# Allegro board LED_FIN.brd (continued)
## Nets (continued)
ROW_OUT_C24: D9511.3(ANODE) D9512.3(ANODE) D9513.3(ANODE) D9514.3(ANODE) D9515.3(ANODE) D9516.3(ANODE) D9517.3(ANODE) D9518.3(ANODE) D9519.3(ANODE) D9520.3(ANODE) D9521.3(ANODE) D9522.3(ANODE) D9523.3(ANODE) D9524.3(ANODE) D9525.3(ANODE) D9526.3(ANODE) D9527.3(ANODE) D9528.3(ANODE) D9529.3(ANODE) D9530.3(ANODE) D9531.3(ANODE) D9532.3(ANODE) D9533.3(ANODE) D9534.3(ANODE) D9535.3(ANODE) D9536.3(ANODE) D9537.3(ANODE) D9538.3(ANODE) D9539.3(ANODE) D9540.3(ANODE) D10651.3(ANODE) D10652.3(ANODE) D10653.3(ANODE) D10654.3(ANODE) D10655.3(ANODE) D10656.3(ANODE) D10657.3(ANODE) D10658.3(ANODE) D10659.3(ANODE) D10660.3(ANODE) D10661.3(ANODE) D10662.3(ANODE) D10663.3(ANODE) D10664.3(ANODE) D10665.3(ANODE) D10666.3(ANODE) D10667.3(ANODE) D10668.3(ANODE) D10669.3(ANODE) D10670.3(ANODE) D10671.3(ANODE) D10672.3(ANODE) D10673.3(ANODE) D10674.3(ANODE) D10675.3(ANODE) D10676.3(ANODE) D10677.3(ANODE) D10678.3(ANODE) D10679.3(ANODE) D10680.3(ANODE) D11791.3(ANODE) D11792.3(ANODE) D11793.3(ANODE) D11794.3(ANODE) D11795.3(ANODE) D11796.3(ANODE) D11797.3(ANODE) D11798.3(ANODE) D11799.3(ANODE) D11800.3(ANODE) D11801.3(ANODE) D11802.3(ANODE) D11803.3(ANODE) D11804.3(ANODE) D11805.3(ANODE) D11806.3(ANODE) D11807.3(ANODE) D11808.3(ANODE) D11809.3(ANODE) D11810.3(ANODE) D11811.3(ANODE) D11812.3(ANODE) D11813.3(ANODE) D11814.3(ANODE) D11815.3(ANODE) D11816.3(ANODE) D11817.3(ANODE) D11818.3(ANODE) D11819.3(ANODE) D11820.3(ANODE) D12931.3(ANODE) D12932.3(ANODE) D12933.3(ANODE) D12934.3(ANODE) D12935.3(ANODE) D12936.3(ANODE) D12937.3(ANODE) D12938.3(ANODE) D12939.3(ANODE) D12940.3(ANODE) D12941.3(ANODE) D12942.3(ANODE) D12943.3(ANODE) D12944.3(ANODE) D12945.3(ANODE) D12946.3(ANODE) D12947.3(ANODE) D12948.3(ANODE) D12949.3(ANODE) D12950.3(ANODE) D12951.3(ANODE) D12952.3(ANODE) D12953.3(ANODE) D12954.3(ANODE) D12955.3(ANODE) D12956.3(ANODE) D12957.3(ANODE) D12958.3(ANODE) D12959.3(ANODE) D12960.3(ANODE) U100.1(DRAIN)
ROW_OUT_C25: D9481.3(ANODE) D9482.3(ANODE) D9483.3(ANODE) D9484.3(ANODE) D9485.3(ANODE) D9486.3(ANODE) D9487.3(ANODE) D9488.3(ANODE) D9489.3(ANODE) D9490.3(ANODE) D9491.3(ANODE) D9492.3(ANODE) D9493.3(ANODE) D9494.3(ANODE) D9495.3(ANODE) D9496.3(ANODE) D9497.3(ANODE) D9498.3(ANODE) D9499.3(ANODE) D9500.3(ANODE) D9501.3(ANODE) D9502.3(ANODE) D9503.3(ANODE) D9504.3(ANODE) D9505.3(ANODE) D9506.3(ANODE) D9507.3(ANODE) D9508.3(ANODE) D9509.3(ANODE) D9510.3(ANODE) D10621.3(ANODE) D10622.3(ANODE) D10623.3(ANODE) D10624.3(ANODE) D10625.3(ANODE) D10626.3(ANODE) D10627.3(ANODE) D10628.3(ANODE) D10629.3(ANODE) D10630.3(ANODE) D10631.3(ANODE) D10632.3(ANODE) D10633.3(ANODE) D10634.3(ANODE) D10635.3(ANODE) D10636.3(ANODE) D10637.3(ANODE) D10638.3(ANODE) D10639.3(ANODE) D10640.3(ANODE) D10641.3(ANODE) D10642.3(ANODE) D10643.3(ANODE) D10644.3(ANODE) D10645.3(ANODE) D10646.3(ANODE) D10647.3(ANODE) D10648.3(ANODE) D10649.3(ANODE) D10650.3(ANODE) D11761.3(ANODE) D11762.3(ANODE) D11763.3(ANODE) D11764.3(ANODE) D11765.3(ANODE) D11766.3(ANODE) D11767.3(ANODE) D11768.3(ANODE) D11769.3(ANODE) D11770.3(ANODE) D11771.3(ANODE) D11772.3(ANODE) D11773.3(ANODE) D11774.3(ANODE) D11775.3(ANODE) D11776.3(ANODE) D11777.3(ANODE) D11778.3(ANODE) D11779.3(ANODE) D11780.3(ANODE) D11781.3(ANODE) D11782.3(ANODE) D11783.3(ANODE) D11784.3(ANODE) D11785.3(ANODE) D11786.3(ANODE) D11787.3(ANODE) D11788.3(ANODE) D11789.3(ANODE) D11790.3(ANODE) D12901.3(ANODE) D12902.3(ANODE) D12903.3(ANODE) D12904.3(ANODE) D12905.3(ANODE) D12906.3(ANODE) D12907.3(ANODE) D12908.3(ANODE) D12909.3(ANODE) D12910.3(ANODE) D12911.3(ANODE) D12912.3(ANODE) D12913.3(ANODE) D12914.3(ANODE) D12915.3(ANODE) D12916.3(ANODE) D12917.3(ANODE) D12918.3(ANODE) D12919.3(ANODE) D12920.3(ANODE) D12921.3(ANODE) D12922.3(ANODE) D12923.3(ANODE) D12924.3(ANODE) D12925.3(ANODE) D12926.3(ANODE) D12927.3(ANODE) D12928.3(ANODE) D12929.3(ANODE) D12930.3(ANODE) U99.1(DRAIN)
ROW_OUT_C26: D9451.3(ANODE) D9452.3(ANODE) D9453.3(ANODE) D9454.3(ANODE) D9455.3(ANODE) D9456.3(ANODE) D9457.3(ANODE) D9458.3(ANODE) D9459.3(ANODE) D9460.3(ANODE) D9461.3(ANODE) D9462.3(ANODE) D9463.3(ANODE) D9464.3(ANODE) D9465.3(ANODE) D9466.3(ANODE) D9467.3(ANODE) D9468.3(ANODE) D9469.3(ANODE) D9470.3(ANODE) D9471.3(ANODE) D9472.3(ANODE) D9473.3(ANODE) D9474.3(ANODE) D9475.3(ANODE) D9476.3(ANODE) D9477.3(ANODE) D9478.3(ANODE) D9479.3(ANODE) D9480.3(ANODE) D10591.3(ANODE) D10592.3(ANODE) D10593.3(ANODE) D10594.3(ANODE) D10595.3(ANODE) D10596.3(ANODE) D10597.3(ANODE) D10598.3(ANODE) D10599.3(ANODE) D10600.3(ANODE) D10601.3(ANODE) D10602.3(ANODE) D10603.3(ANODE) D10604.3(ANODE) D10605.3(ANODE) D10606.3(ANODE) D10607.3(ANODE) D10608.3(ANODE) D10609.3(ANODE) D10610.3(ANODE) D10611.3(ANODE) D10612.3(ANODE) D10613.3(ANODE) D10614.3(ANODE) D10615.3(ANODE) D10616.3(ANODE) D10617.3(ANODE) D10618.3(ANODE) D10619.3(ANODE) D10620.3(ANODE) D11731.3(ANODE) D11732.3(ANODE) D11733.3(ANODE) D11734.3(ANODE) D11735.3(ANODE) D11736.3(ANODE) D11737.3(ANODE) D11738.3(ANODE) D11739.3(ANODE) D11740.3(ANODE) D11741.3(ANODE) D11742.3(ANODE) D11743.3(ANODE) D11744.3(ANODE) D11745.3(ANODE) D11746.3(ANODE) D11747.3(ANODE) D11748.3(ANODE) D11749.3(ANODE) D11750.3(ANODE) D11751.3(ANODE) D11752.3(ANODE) D11753.3(ANODE) D11754.3(ANODE) D11755.3(ANODE) D11756.3(ANODE) D11757.3(ANODE) D11758.3(ANODE) D11759.3(ANODE) D11760.3(ANODE) D12871.3(ANODE) D12872.3(ANODE) D12873.3(ANODE) D12874.3(ANODE) D12875.3(ANODE) D12876.3(ANODE) D12877.3(ANODE) D12878.3(ANODE) D12879.3(ANODE) D12880.3(ANODE) D12881.3(ANODE) D12882.3(ANODE) D12883.3(ANODE) D12884.3(ANODE) D12885.3(ANODE) D12886.3(ANODE) D12887.3(ANODE) D12888.3(ANODE) D12889.3(ANODE) D12890.3(ANODE) D12891.3(ANODE) D12892.3(ANODE) D12893.3(ANODE) D12894.3(ANODE) D12895.3(ANODE) D12896.3(ANODE) D12897.3(ANODE) D12898.3(ANODE) D12899.3(ANODE) D12900.3(ANODE) U98.1(DRAIN)
ROW_OUT_C27: D9421.3(ANODE) D9422.3(ANODE) D9423.3(ANODE) D9424.3(ANODE) D9425.3(ANODE) D9426.3(ANODE) D9427.3(ANODE) D9428.3(ANODE) D9429.3(ANODE) D9430.3(ANODE) D9431.3(ANODE) D9432.3(ANODE) D9433.3(ANODE) D9434.3(ANODE) D9435.3(ANODE) D9436.3(ANODE) D9437.3(ANODE) D9438.3(ANODE) D9439.3(ANODE) D9440.3(ANODE) D9441.3(ANODE) D9442.3(ANODE) D9443.3(ANODE) D9444.3(ANODE) D9445.3(ANODE) D9446.3(ANODE) D9447.3(ANODE) D9448.3(ANODE) D9449.3(ANODE) D9450.3(ANODE) D10561.3(ANODE) D10562.3(ANODE) D10563.3(ANODE) D10564.3(ANODE) D10565.3(ANODE) D10566.3(ANODE) D10567.3(ANODE) D10568.3(ANODE) D10569.3(ANODE) D10570.3(ANODE) D10571.3(ANODE) D10572.3(ANODE) D10573.3(ANODE) D10574.3(ANODE) D10575.3(ANODE) D10576.3(ANODE) D10577.3(ANODE) D10578.3(ANODE) D10579.3(ANODE) D10580.3(ANODE) D10581.3(ANODE) D10582.3(ANODE) D10583.3(ANODE) D10584.3(ANODE) D10585.3(ANODE) D10586.3(ANODE) D10587.3(ANODE) D10588.3(ANODE) D10589.3(ANODE) D10590.3(ANODE) D11701.3(ANODE) D11702.3(ANODE) D11703.3(ANODE) D11704.3(ANODE) D11705.3(ANODE) D11706.3(ANODE) D11707.3(ANODE) D11708.3(ANODE) D11709.3(ANODE) D11710.3(ANODE) D11711.3(ANODE) D11712.3(ANODE) D11713.3(ANODE) D11714.3(ANODE) D11715.3(ANODE) D11716.3(ANODE) D11717.3(ANODE) D11718.3(ANODE) D11719.3(ANODE) D11720.3(ANODE) D11721.3(ANODE) D11722.3(ANODE) D11723.3(ANODE) D11724.3(ANODE) D11725.3(ANODE) D11726.3(ANODE) D11727.3(ANODE) D11728.3(ANODE) D11729.3(ANODE) D11730.3(ANODE) D12841.3(ANODE) D12842.3(ANODE) D12843.3(ANODE) D12844.3(ANODE) D12845.3(ANODE) D12846.3(ANODE) D12847.3(ANODE) D12848.3(ANODE) D12849.3(ANODE) D12850.3(ANODE) D12851.3(ANODE) D12852.3(ANODE) D12853.3(ANODE) D12854.3(ANODE) D12855.3(ANODE) D12856.3(ANODE) D12857.3(ANODE) D12858.3(ANODE) D12859.3(ANODE) D12860.3(ANODE) D12861.3(ANODE) D12862.3(ANODE) D12863.3(ANODE) D12864.3(ANODE) D12865.3(ANODE) D12866.3(ANODE) D12867.3(ANODE) D12868.3(ANODE) D12869.3(ANODE) D12870.3(ANODE) U97.1(DRAIN)
ROW_OUT_C28: D9391.3(ANODE) D9392.3(ANODE) D9393.3(ANODE) D9394.3(ANODE) D9395.3(ANODE) D9396.3(ANODE) D9397.3(ANODE) D9398.3(ANODE) D9399.3(ANODE) D9400.3(ANODE) D9401.3(ANODE) D9402.3(ANODE) D9403.3(ANODE) D9404.3(ANODE) D9405.3(ANODE) D9406.3(ANODE) D9407.3(ANODE) D9408.3(ANODE) D9409.3(ANODE) D9410.3(ANODE) D9411.3(ANODE) D9412.3(ANODE) D9413.3(ANODE) D9414.3(ANODE) D9415.3(ANODE) D9416.3(ANODE) D9417.3(ANODE) D9418.3(ANODE) D9419.3(ANODE) D9420.3(ANODE) D10531.3(ANODE) D10532.3(ANODE) D10533.3(ANODE) D10534.3(ANODE) D10535.3(ANODE) D10536.3(ANODE) D10537.3(ANODE) D10538.3(ANODE) D10539.3(ANODE) D10540.3(ANODE) D10541.3(ANODE) D10542.3(ANODE) D10543.3(ANODE) D10544.3(ANODE) D10545.3(ANODE) D10546.3(ANODE) D10547.3(ANODE) D10548.3(ANODE) D10549.3(ANODE) D10550.3(ANODE) D10551.3(ANODE) D10552.3(ANODE) D10553.3(ANODE) D10554.3(ANODE) D10555.3(ANODE) D10556.3(ANODE) D10557.3(ANODE) D10558.3(ANODE) D10559.3(ANODE) D10560.3(ANODE) D11671.3(ANODE) D11672.3(ANODE) D11673.3(ANODE) D11674.3(ANODE) D11675.3(ANODE) D11676.3(ANODE) D11677.3(ANODE) D11678.3(ANODE) D11679.3(ANODE) D11680.3(ANODE) D11681.3(ANODE) D11682.3(ANODE) D11683.3(ANODE) D11684.3(ANODE) D11685.3(ANODE) D11686.3(ANODE) D11687.3(ANODE) D11688.3(ANODE) D11689.3(ANODE) D11690.3(ANODE) D11691.3(ANODE) D11692.3(ANODE) D11693.3(ANODE) D11694.3(ANODE) D11695.3(ANODE) D11696.3(ANODE) D11697.3(ANODE) D11698.3(ANODE) D11699.3(ANODE) D11700.3(ANODE) D12811.3(ANODE) D12812.3(ANODE) D12813.3(ANODE) D12814.3(ANODE) D12815.3(ANODE) D12816.3(ANODE) D12817.3(ANODE) D12818.3(ANODE) D12819.3(ANODE) D12820.3(ANODE) D12821.3(ANODE) D12822.3(ANODE) D12823.3(ANODE) D12824.3(ANODE) D12825.3(ANODE) D12826.3(ANODE) D12827.3(ANODE) D12828.3(ANODE) D12829.3(ANODE) D12830.3(ANODE) D12831.3(ANODE) D12832.3(ANODE) D12833.3(ANODE) D12834.3(ANODE) D12835.3(ANODE) D12836.3(ANODE) D12837.3(ANODE) D12838.3(ANODE) D12839.3(ANODE) D12840.3(ANODE) U96.1(DRAIN)
ROW_OUT_C29: D9361.3(ANODE) D9362.3(ANODE) D9363.3(ANODE) D9364.3(ANODE) D9365.3(ANODE) D9366.3(ANODE) D9367.3(ANODE) D9368.3(ANODE) D9369.3(ANODE) D9370.3(ANODE) D9371.3(ANODE) D9372.3(ANODE) D9373.3(ANODE) D9374.3(ANODE) D9375.3(ANODE) D9376.3(ANODE) D9377.3(ANODE) D9378.3(ANODE) D9379.3(ANODE) D9380.3(ANODE) D9381.3(ANODE) D9382.3(ANODE) D9383.3(ANODE) D9384.3(ANODE) D9385.3(ANODE) D9386.3(ANODE) D9387.3(ANODE) D9388.3(ANODE) D9389.3(ANODE) D9390.3(ANODE) D10501.3(ANODE) D10502.3(ANODE) D10503.3(ANODE) D10504.3(ANODE) D10505.3(ANODE) D10506.3(ANODE) D10507.3(ANODE) D10508.3(ANODE) D10509.3(ANODE) D10510.3(ANODE) D10511.3(ANODE) D10512.3(ANODE) D10513.3(ANODE) D10514.3(ANODE) D10515.3(ANODE) D10516.3(ANODE) D10517.3(ANODE) D10518.3(ANODE) D10519.3(ANODE) D10520.3(ANODE) D10521.3(ANODE) D10522.3(ANODE) D10523.3(ANODE) D10524.3(ANODE) D10525.3(ANODE) D10526.3(ANODE) D10527.3(ANODE) D10528.3(ANODE) D10529.3(ANODE) D10530.3(ANODE) D11641.3(ANODE) D11642.3(ANODE) D11643.3(ANODE) D11644.3(ANODE) D11645.3(ANODE) D11646.3(ANODE) D11647.3(ANODE) D11648.3(ANODE) D11649.3(ANODE) D11650.3(ANODE) D11651.3(ANODE) D11652.3(ANODE) D11653.3(ANODE) D11654.3(ANODE) D11655.3(ANODE) D11656.3(ANODE) D11657.3(ANODE) D11658.3(ANODE) D11659.3(ANODE) D11660.3(ANODE) D11661.3(ANODE) D11662.3(ANODE) D11663.3(ANODE) D11664.3(ANODE) D11665.3(ANODE) D11666.3(ANODE) D11667.3(ANODE) D11668.3(ANODE) D11669.3(ANODE) D11670.3(ANODE) D12781.3(ANODE) D12782.3(ANODE) D12783.3(ANODE) D12784.3(ANODE) D12785.3(ANODE) D12786.3(ANODE) D12787.3(ANODE) D12788.3(ANODE) D12789.3(ANODE) D12790.3(ANODE) D12791.3(ANODE) D12792.3(ANODE) D12793.3(ANODE) D12794.3(ANODE) D12795.3(ANODE) D12796.3(ANODE) D12797.3(ANODE) D12798.3(ANODE) D12799.3(ANODE) D12800.3(ANODE) D12801.3(ANODE) D12802.3(ANODE) D12803.3(ANODE) D12804.3(ANODE) D12805.3(ANODE) D12806.3(ANODE) D12807.3(ANODE) D12808.3(ANODE) D12809.3(ANODE) D12810.3(ANODE) U95.1(DRAIN)
ROW_OUT_C30: D9331.3(ANODE) D9332.3(ANODE) D9333.3(ANODE) D9334.3(ANODE) D9335.3(ANODE) D9336.3(ANODE) D9337.3(ANODE) D9338.3(ANODE) D9339.3(ANODE) D9340.3(ANODE) D9341.3(ANODE) D9342.3(ANODE) D9343.3(ANODE) D9344.3(ANODE) D9345.3(ANODE) D9346.3(ANODE) D9347.3(ANODE) D9348.3(ANODE) D9349.3(ANODE) D9350.3(ANODE) D9351.3(ANODE) D9352.3(ANODE) D9353.3(ANODE) D9354.3(ANODE) D9355.3(ANODE) D9356.3(ANODE) D9357.3(ANODE) D9358.3(ANODE) D9359.3(ANODE) D9360.3(ANODE) D10471.3(ANODE) D10472.3(ANODE) D10473.3(ANODE) D10474.3(ANODE) D10475.3(ANODE) D10476.3(ANODE) D10477.3(ANODE) D10478.3(ANODE) D10479.3(ANODE) D10480.3(ANODE) D10481.3(ANODE) D10482.3(ANODE) D10483.3(ANODE) D10484.3(ANODE) D10485.3(ANODE) D10486.3(ANODE) D10487.3(ANODE) D10488.3(ANODE) D10489.3(ANODE) D10490.3(ANODE) D10491.3(ANODE) D10492.3(ANODE) D10493.3(ANODE) D10494.3(ANODE) D10495.3(ANODE) D10496.3(ANODE) D10497.3(ANODE) D10498.3(ANODE) D10499.3(ANODE) D10500.3(ANODE) D11611.3(ANODE) D11612.3(ANODE) D11613.3(ANODE) D11614.3(ANODE) D11615.3(ANODE) D11616.3(ANODE) D11617.3(ANODE) D11618.3(ANODE) D11619.3(ANODE) D11620.3(ANODE) D11621.3(ANODE) D11622.3(ANODE) D11623.3(ANODE) D11624.3(ANODE) D11625.3(ANODE) D11626.3(ANODE) D11627.3(ANODE) D11628.3(ANODE) D11629.3(ANODE) D11630.3(ANODE) D11631.3(ANODE) D11632.3(ANODE) D11633.3(ANODE) D11634.3(ANODE) D11635.3(ANODE) D11636.3(ANODE) D11637.3(ANODE) D11638.3(ANODE) D11639.3(ANODE) D11640.3(ANODE) D12751.3(ANODE) D12752.3(ANODE) D12753.3(ANODE) D12754.3(ANODE) D12755.3(ANODE) D12756.3(ANODE) D12757.3(ANODE) D12758.3(ANODE) D12759.3(ANODE) D12760.3(ANODE) D12761.3(ANODE) D12762.3(ANODE) D12763.3(ANODE) D12764.3(ANODE) D12765.3(ANODE) D12766.3(ANODE) D12767.3(ANODE) D12768.3(ANODE) D12769.3(ANODE) D12770.3(ANODE) D12771.3(ANODE) D12772.3(ANODE) D12773.3(ANODE) D12774.3(ANODE) D12775.3(ANODE) D12776.3(ANODE) D12777.3(ANODE) D12778.3(ANODE) D12779.3(ANODE) D12780.3(ANODE) U94.1(DRAIN)
ROW_OUT_C31: D9301.3(ANODE) D9302.3(ANODE) D9303.3(ANODE) D9304.3(ANODE) D9305.3(ANODE) D9306.3(ANODE) D9307.3(ANODE) D9308.3(ANODE) D9309.3(ANODE) D9310.3(ANODE) D9311.3(ANODE) D9312.3(ANODE) D9313.3(ANODE) D9314.3(ANODE) D9315.3(ANODE) D9316.3(ANODE) D9317.3(ANODE) D9318.3(ANODE) D9319.3(ANODE) D9320.3(ANODE) D9321.3(ANODE) D9322.3(ANODE) D9323.3(ANODE) D9324.3(ANODE) D9325.3(ANODE) D9326.3(ANODE) D9327.3(ANODE) D9328.3(ANODE) D9329.3(ANODE) D9330.3(ANODE) D10441.3(ANODE) D10442.3(ANODE) D10443.3(ANODE) D10444.3(ANODE) D10445.3(ANODE) D10446.3(ANODE) D10447.3(ANODE) D10448.3(ANODE) D10449.3(ANODE) D10450.3(ANODE) D10451.3(ANODE) D10452.3(ANODE) D10453.3(ANODE) D10454.3(ANODE) D10455.3(ANODE) D10456.3(ANODE) D10457.3(ANODE) D10458.3(ANODE) D10459.3(ANODE) D10460.3(ANODE) D10461.3(ANODE) D10462.3(ANODE) D10463.3(ANODE) D10464.3(ANODE) D10465.3(ANODE) D10466.3(ANODE) D10467.3(ANODE) D10468.3(ANODE) D10469.3(ANODE) D10470.3(ANODE) D11581.3(ANODE) D11582.3(ANODE) D11583.3(ANODE) D11584.3(ANODE) D11585.3(ANODE) D11586.3(ANODE) D11587.3(ANODE) D11588.3(ANODE) D11589.3(ANODE) D11590.3(ANODE) D11591.3(ANODE) D11592.3(ANODE) D11593.3(ANODE) D11594.3(ANODE) D11595.3(ANODE) D11596.3(ANODE) D11597.3(ANODE) D11598.3(ANODE) D11599.3(ANODE) D11600.3(ANODE) D11601.3(ANODE) D11602.3(ANODE) D11603.3(ANODE) D11604.3(ANODE) D11605.3(ANODE) D11606.3(ANODE) D11607.3(ANODE) D11608.3(ANODE) D11609.3(ANODE) D11610.3(ANODE) D12721.3(ANODE) D12722.3(ANODE) D12723.3(ANODE) D12724.3(ANODE) D12725.3(ANODE) D12726.3(ANODE) D12727.3(ANODE) D12728.3(ANODE) D12729.3(ANODE) D12730.3(ANODE) D12731.3(ANODE) D12732.3(ANODE) D12733.3(ANODE) D12734.3(ANODE) D12735.3(ANODE) D12736.3(ANODE) D12737.3(ANODE) D12738.3(ANODE) D12739.3(ANODE) D12740.3(ANODE) D12741.3(ANODE) D12742.3(ANODE) D12743.3(ANODE) D12744.3(ANODE) D12745.3(ANODE) D12746.3(ANODE) D12747.3(ANODE) D12748.3(ANODE) D12749.3(ANODE) D12750.3(ANODE) U93.1(DRAIN)
ROW_OUT_C32: D9271.3(ANODE) D9272.3(ANODE) D9273.3(ANODE) D9274.3(ANODE) D9275.3(ANODE) D9276.3(ANODE) D9277.3(ANODE) D9278.3(ANODE) D9279.3(ANODE) D9280.3(ANODE) D9281.3(ANODE) D9282.3(ANODE) D9283.3(ANODE) D9284.3(ANODE) D9285.3(ANODE) D9286.3(ANODE) D9287.3(ANODE) D9288.3(ANODE) D9289.3(ANODE) D9290.3(ANODE) D9291.3(ANODE) D9292.3(ANODE) D9293.3(ANODE) D9294.3(ANODE) D9295.3(ANODE) D9296.3(ANODE) D9297.3(ANODE) D9298.3(ANODE) D9299.3(ANODE) D9300.3(ANODE) D10411.3(ANODE) D10412.3(ANODE) D10413.3(ANODE) D10414.3(ANODE) D10415.3(ANODE) D10416.3(ANODE) D10417.3(ANODE) D10418.3(ANODE) D10419.3(ANODE) D10420.3(ANODE) D10421.3(ANODE) D10422.3(ANODE) D10423.3(ANODE) D10424.3(ANODE) D10425.3(ANODE) D10426.3(ANODE) D10427.3(ANODE) D10428.3(ANODE) D10429.3(ANODE) D10430.3(ANODE) D10431.3(ANODE) D10432.3(ANODE) D10433.3(ANODE) D10434.3(ANODE) D10435.3(ANODE) D10436.3(ANODE) D10437.3(ANODE) D10438.3(ANODE) D10439.3(ANODE) D10440.3(ANODE) D11551.3(ANODE) D11552.3(ANODE) D11553.3(ANODE) D11554.3(ANODE) D11555.3(ANODE) D11556.3(ANODE) D11557.3(ANODE) D11558.3(ANODE) D11559.3(ANODE) D11560.3(ANODE) D11561.3(ANODE) D11562.3(ANODE) D11563.3(ANODE) D11564.3(ANODE) D11565.3(ANODE) D11566.3(ANODE) D11567.3(ANODE) D11568.3(ANODE) D11569.3(ANODE) D11570.3(ANODE) D11571.3(ANODE) D11572.3(ANODE) D11573.3(ANODE) D11574.3(ANODE) D11575.3(ANODE) D11576.3(ANODE) D11577.3(ANODE) D11578.3(ANODE) D11579.3(ANODE) D11580.3(ANODE) D12691.3(ANODE) D12692.3(ANODE) D12693.3(ANODE) D12694.3(ANODE) D12695.3(ANODE) D12696.3(ANODE) D12697.3(ANODE) D12698.3(ANODE) D12699.3(ANODE) D12700.3(ANODE) D12701.3(ANODE) D12702.3(ANODE) D12703.3(ANODE) D12704.3(ANODE) D12705.3(ANODE) D12706.3(ANODE) D12707.3(ANODE) D12708.3(ANODE) D12709.3(ANODE) D12710.3(ANODE) D12711.3(ANODE) D12712.3(ANODE) D12713.3(ANODE) D12714.3(ANODE) D12715.3(ANODE) D12716.3(ANODE) D12717.3(ANODE) D12718.3(ANODE) D12719.3(ANODE) D12720.3(ANODE) U92.1(DRAIN)
ROW_OUT_C33: D9241.3(ANODE) D9242.3(ANODE) D9243.3(ANODE) D9244.3(ANODE) D9245.3(ANODE) D9246.3(ANODE) D9247.3(ANODE) D9248.3(ANODE) D9249.3(ANODE) D9250.3(ANODE) D9251.3(ANODE) D9252.3(ANODE) D9253.3(ANODE) D9254.3(ANODE) D9255.3(ANODE) D9256.3(ANODE) D9257.3(ANODE) D9258.3(ANODE) D9259.3(ANODE) D9260.3(ANODE) D9261.3(ANODE) D9262.3(ANODE) D9263.3(ANODE) D9264.3(ANODE) D9265.3(ANODE) D9266.3(ANODE) D9267.3(ANODE) D9268.3(ANODE) D9269.3(ANODE) D9270.3(ANODE) D10381.3(ANODE) D10382.3(ANODE) D10383.3(ANODE) D10384.3(ANODE) D10385.3(ANODE) D10386.3(ANODE) D10387.3(ANODE) D10388.3(ANODE) D10389.3(ANODE) D10390.3(ANODE) D10391.3(ANODE) D10392.3(ANODE) D10393.3(ANODE) D10394.3(ANODE) D10395.3(ANODE) D10396.3(ANODE) D10397.3(ANODE) D10398.3(ANODE) D10399.3(ANODE) D10400.3(ANODE) D10401.3(ANODE) D10402.3(ANODE) D10403.3(ANODE) D10404.3(ANODE) D10405.3(ANODE) D10406.3(ANODE) D10407.3(ANODE) D10408.3(ANODE) D10409.3(ANODE) D10410.3(ANODE) D11521.3(ANODE) D11522.3(ANODE) D11523.3(ANODE) D11524.3(ANODE) D11525.3(ANODE) D11526.3(ANODE) D11527.3(ANODE) D11528.3(ANODE) D11529.3(ANODE) D11530.3(ANODE) D11531.3(ANODE) D11532.3(ANODE) D11533.3(ANODE) D11534.3(ANODE) D11535.3(ANODE) D11536.3(ANODE) D11537.3(ANODE) D11538.3(ANODE) D11539.3(ANODE) D11540.3(ANODE) D11541.3(ANODE) D11542.3(ANODE) D11543.3(ANODE) D11544.3(ANODE) D11545.3(ANODE) D11546.3(ANODE) D11547.3(ANODE) D11548.3(ANODE) D11549.3(ANODE) D11550.3(ANODE) D12661.3(ANODE) D12662.3(ANODE) D12663.3(ANODE) D12664.3(ANODE) D12665.3(ANODE) D12666.3(ANODE) D12667.3(ANODE) D12668.3(ANODE) D12669.3(ANODE) D12670.3(ANODE) D12671.3(ANODE) D12672.3(ANODE) D12673.3(ANODE) D12674.3(ANODE) D12675.3(ANODE) D12676.3(ANODE) D12677.3(ANODE) D12678.3(ANODE) D12679.3(ANODE) D12680.3(ANODE) D12681.3(ANODE) D12682.3(ANODE) D12683.3(ANODE) D12684.3(ANODE) D12685.3(ANODE) D12686.3(ANODE) D12687.3(ANODE) D12688.3(ANODE) D12689.3(ANODE) D12690.3(ANODE) U91.1(DRAIN)
ROW_OUT_C34: D9211.3(ANODE) D9212.3(ANODE) D9213.3(ANODE) D9214.3(ANODE) D9215.3(ANODE) D9216.3(ANODE) D9217.3(ANODE) D9218.3(ANODE) D9219.3(ANODE) D9220.3(ANODE) D9221.3(ANODE) D9222.3(ANODE) D9223.3(ANODE) D9224.3(ANODE) D9225.3(ANODE) D9226.3(ANODE) D9227.3(ANODE) D9228.3(ANODE) D9229.3(ANODE) D9230.3(ANODE) D9231.3(ANODE) D9232.3(ANODE) D9233.3(ANODE) D9234.3(ANODE) D9235.3(ANODE) D9236.3(ANODE) D9237.3(ANODE) D9238.3(ANODE) D9239.3(ANODE) D9240.3(ANODE) D10351.3(ANODE) D10352.3(ANODE) D10353.3(ANODE) D10354.3(ANODE) D10355.3(ANODE) D10356.3(ANODE) D10357.3(ANODE) D10358.3(ANODE) D10359.3(ANODE) D10360.3(ANODE) D10361.3(ANODE) D10362.3(ANODE) D10363.3(ANODE) D10364.3(ANODE) D10365.3(ANODE) D10366.3(ANODE) D10367.3(ANODE) D10368.3(ANODE) D10369.3(ANODE) D10370.3(ANODE) D10371.3(ANODE) D10372.3(ANODE) D10373.3(ANODE) D10374.3(ANODE) D10375.3(ANODE) D10376.3(ANODE) D10377.3(ANODE) D10378.3(ANODE) D10379.3(ANODE) D10380.3(ANODE) D11491.3(ANODE) D11492.3(ANODE) D11493.3(ANODE) D11494.3(ANODE) D11495.3(ANODE) D11496.3(ANODE) D11497.3(ANODE) D11498.3(ANODE) D11499.3(ANODE) D11500.3(ANODE) D11501.3(ANODE) D11502.3(ANODE) D11503.3(ANODE) D11504.3(ANODE) D11505.3(ANODE) D11506.3(ANODE) D11507.3(ANODE) D11508.3(ANODE) D11509.3(ANODE) D11510.3(ANODE) D11511.3(ANODE) D11512.3(ANODE) D11513.3(ANODE) D11514.3(ANODE) D11515.3(ANODE) D11516.3(ANODE) D11517.3(ANODE) D11518.3(ANODE) D11519.3(ANODE) D11520.3(ANODE) D12631.3(ANODE) D12632.3(ANODE) D12633.3(ANODE) D12634.3(ANODE) D12635.3(ANODE) D12636.3(ANODE) D12637.3(ANODE) D12638.3(ANODE) D12639.3(ANODE) D12640.3(ANODE) D12641.3(ANODE) D12642.3(ANODE) D12643.3(ANODE) D12644.3(ANODE) D12645.3(ANODE) D12646.3(ANODE) D12647.3(ANODE) D12648.3(ANODE) D12649.3(ANODE) D12650.3(ANODE) D12651.3(ANODE) D12652.3(ANODE) D12653.3(ANODE) D12654.3(ANODE) D12655.3(ANODE) D12656.3(ANODE) D12657.3(ANODE) D12658.3(ANODE) D12659.3(ANODE) D12660.3(ANODE) U90.1(DRAIN)
ROW_OUT_C35: D9181.3(ANODE) D9182.3(ANODE) D9183.3(ANODE) D9184.3(ANODE) D9185.3(ANODE) D9186.3(ANODE) D9187.3(ANODE) D9188.3(ANODE) D9189.3(ANODE) D9190.3(ANODE) D9191.3(ANODE) D9192.3(ANODE) D9193.3(ANODE) D9194.3(ANODE) D9195.3(ANODE) D9196.3(ANODE) D9197.3(ANODE) D9198.3(ANODE) D9199.3(ANODE) D9200.3(ANODE) D9201.3(ANODE) D9202.3(ANODE) D9203.3(ANODE) D9204.3(ANODE) D9205.3(ANODE) D9206.3(ANODE) D9207.3(ANODE) D9208.3(ANODE) D9209.3(ANODE) D9210.3(ANODE) D10321.3(ANODE) D10322.3(ANODE) D10323.3(ANODE) D10324.3(ANODE) D10325.3(ANODE) D10326.3(ANODE) D10327.3(ANODE) D10328.3(ANODE) D10329.3(ANODE) D10330.3(ANODE) D10331.3(ANODE) D10332.3(ANODE) D10333.3(ANODE) D10334.3(ANODE) D10335.3(ANODE) D10336.3(ANODE) D10337.3(ANODE) D10338.3(ANODE) D10339.3(ANODE) D10340.3(ANODE) D10341.3(ANODE) D10342.3(ANODE) D10343.3(ANODE) D10344.3(ANODE) D10345.3(ANODE) D10346.3(ANODE) D10347.3(ANODE) D10348.3(ANODE) D10349.3(ANODE) D10350.3(ANODE) D11461.3(ANODE) D11462.3(ANODE) D11463.3(ANODE) D11464.3(ANODE) D11465.3(ANODE) D11466.3(ANODE) D11467.3(ANODE) D11468.3(ANODE) D11469.3(ANODE) D11470.3(ANODE) D11471.3(ANODE) D11472.3(ANODE) D11473.3(ANODE) D11474.3(ANODE) D11475.3(ANODE) D11476.3(ANODE) D11477.3(ANODE) D11478.3(ANODE) D11479.3(ANODE) D11480.3(ANODE) D11481.3(ANODE) D11482.3(ANODE) D11483.3(ANODE) D11484.3(ANODE) D11485.3(ANODE) D11486.3(ANODE) D11487.3(ANODE) D11488.3(ANODE) D11489.3(ANODE) D11490.3(ANODE) D12601.3(ANODE) D12602.3(ANODE) D12603.3(ANODE) D12604.3(ANODE) D12605.3(ANODE) D12606.3(ANODE) D12607.3(ANODE) D12608.3(ANODE) D12609.3(ANODE) D12610.3(ANODE) D12611.3(ANODE) D12612.3(ANODE) D12613.3(ANODE) D12614.3(ANODE) D12615.3(ANODE) D12616.3(ANODE) D12617.3(ANODE) D12618.3(ANODE) D12619.3(ANODE) D12620.3(ANODE) D12621.3(ANODE) D12622.3(ANODE) D12623.3(ANODE) D12624.3(ANODE) D12625.3(ANODE) D12626.3(ANODE) D12627.3(ANODE) D12628.3(ANODE) D12629.3(ANODE) D12630.3(ANODE) U89.1(DRAIN)
ROW_OUT_C36: D9151.3(ANODE) D9152.3(ANODE) D9153.3(ANODE) D9154.3(ANODE) D9155.3(ANODE) D9156.3(ANODE) D9157.3(ANODE) D9158.3(ANODE) D9159.3(ANODE) D9160.3(ANODE) D9161.3(ANODE) D9162.3(ANODE) D9163.3(ANODE) D9164.3(ANODE) D9165.3(ANODE) D9166.3(ANODE) D9167.3(ANODE) D9168.3(ANODE) D9169.3(ANODE) D9170.3(ANODE) D9171.3(ANODE) D9172.3(ANODE) D9173.3(ANODE) D9174.3(ANODE) D9175.3(ANODE) D9176.3(ANODE) D9177.3(ANODE) D9178.3(ANODE) D9179.3(ANODE) D9180.3(ANODE) D10291.3(ANODE) D10292.3(ANODE) D10293.3(ANODE) D10294.3(ANODE) D10295.3(ANODE) D10296.3(ANODE) D10297.3(ANODE) D10298.3(ANODE) D10299.3(ANODE) D10300.3(ANODE) D10301.3(ANODE) D10302.3(ANODE) D10303.3(ANODE) D10304.3(ANODE) D10305.3(ANODE) D10306.3(ANODE) D10307.3(ANODE) D10308.3(ANODE) D10309.3(ANODE) D10310.3(ANODE) D10311.3(ANODE) D10312.3(ANODE) D10313.3(ANODE) D10314.3(ANODE) D10315.3(ANODE) D10316.3(ANODE) D10317.3(ANODE) D10318.3(ANODE) D10319.3(ANODE) D10320.3(ANODE) D11431.3(ANODE) D11432.3(ANODE) D11433.3(ANODE) D11434.3(ANODE) D11435.3(ANODE) D11436.3(ANODE) D11437.3(ANODE) D11438.3(ANODE) D11439.3(ANODE) D11440.3(ANODE) D11441.3(ANODE) D11442.3(ANODE) D11443.3(ANODE) D11444.3(ANODE) D11445.3(ANODE) D11446.3(ANODE) D11447.3(ANODE) D11448.3(ANODE) D11449.3(ANODE) D11450.3(ANODE) D11451.3(ANODE) D11452.3(ANODE) D11453.3(ANODE) D11454.3(ANODE) D11455.3(ANODE) D11456.3(ANODE) D11457.3(ANODE) D11458.3(ANODE) D11459.3(ANODE) D11460.3(ANODE) D12571.3(ANODE) D12572.3(ANODE) D12573.3(ANODE) D12574.3(ANODE) D12575.3(ANODE) D12576.3(ANODE) D12577.3(ANODE) D12578.3(ANODE) D12579.3(ANODE) D12580.3(ANODE) D12581.3(ANODE) D12582.3(ANODE) D12583.3(ANODE) D12584.3(ANODE) D12585.3(ANODE) D12586.3(ANODE) D12587.3(ANODE) D12588.3(ANODE) D12589.3(ANODE) D12590.3(ANODE) D12591.3(ANODE) D12592.3(ANODE) D12593.3(ANODE) D12594.3(ANODE) D12595.3(ANODE) D12596.3(ANODE) D12597.3(ANODE) D12598.3(ANODE) D12599.3(ANODE) D12600.3(ANODE) U88.1(DRAIN)
